# KiCad board DAB.kicad_pcb (continued)
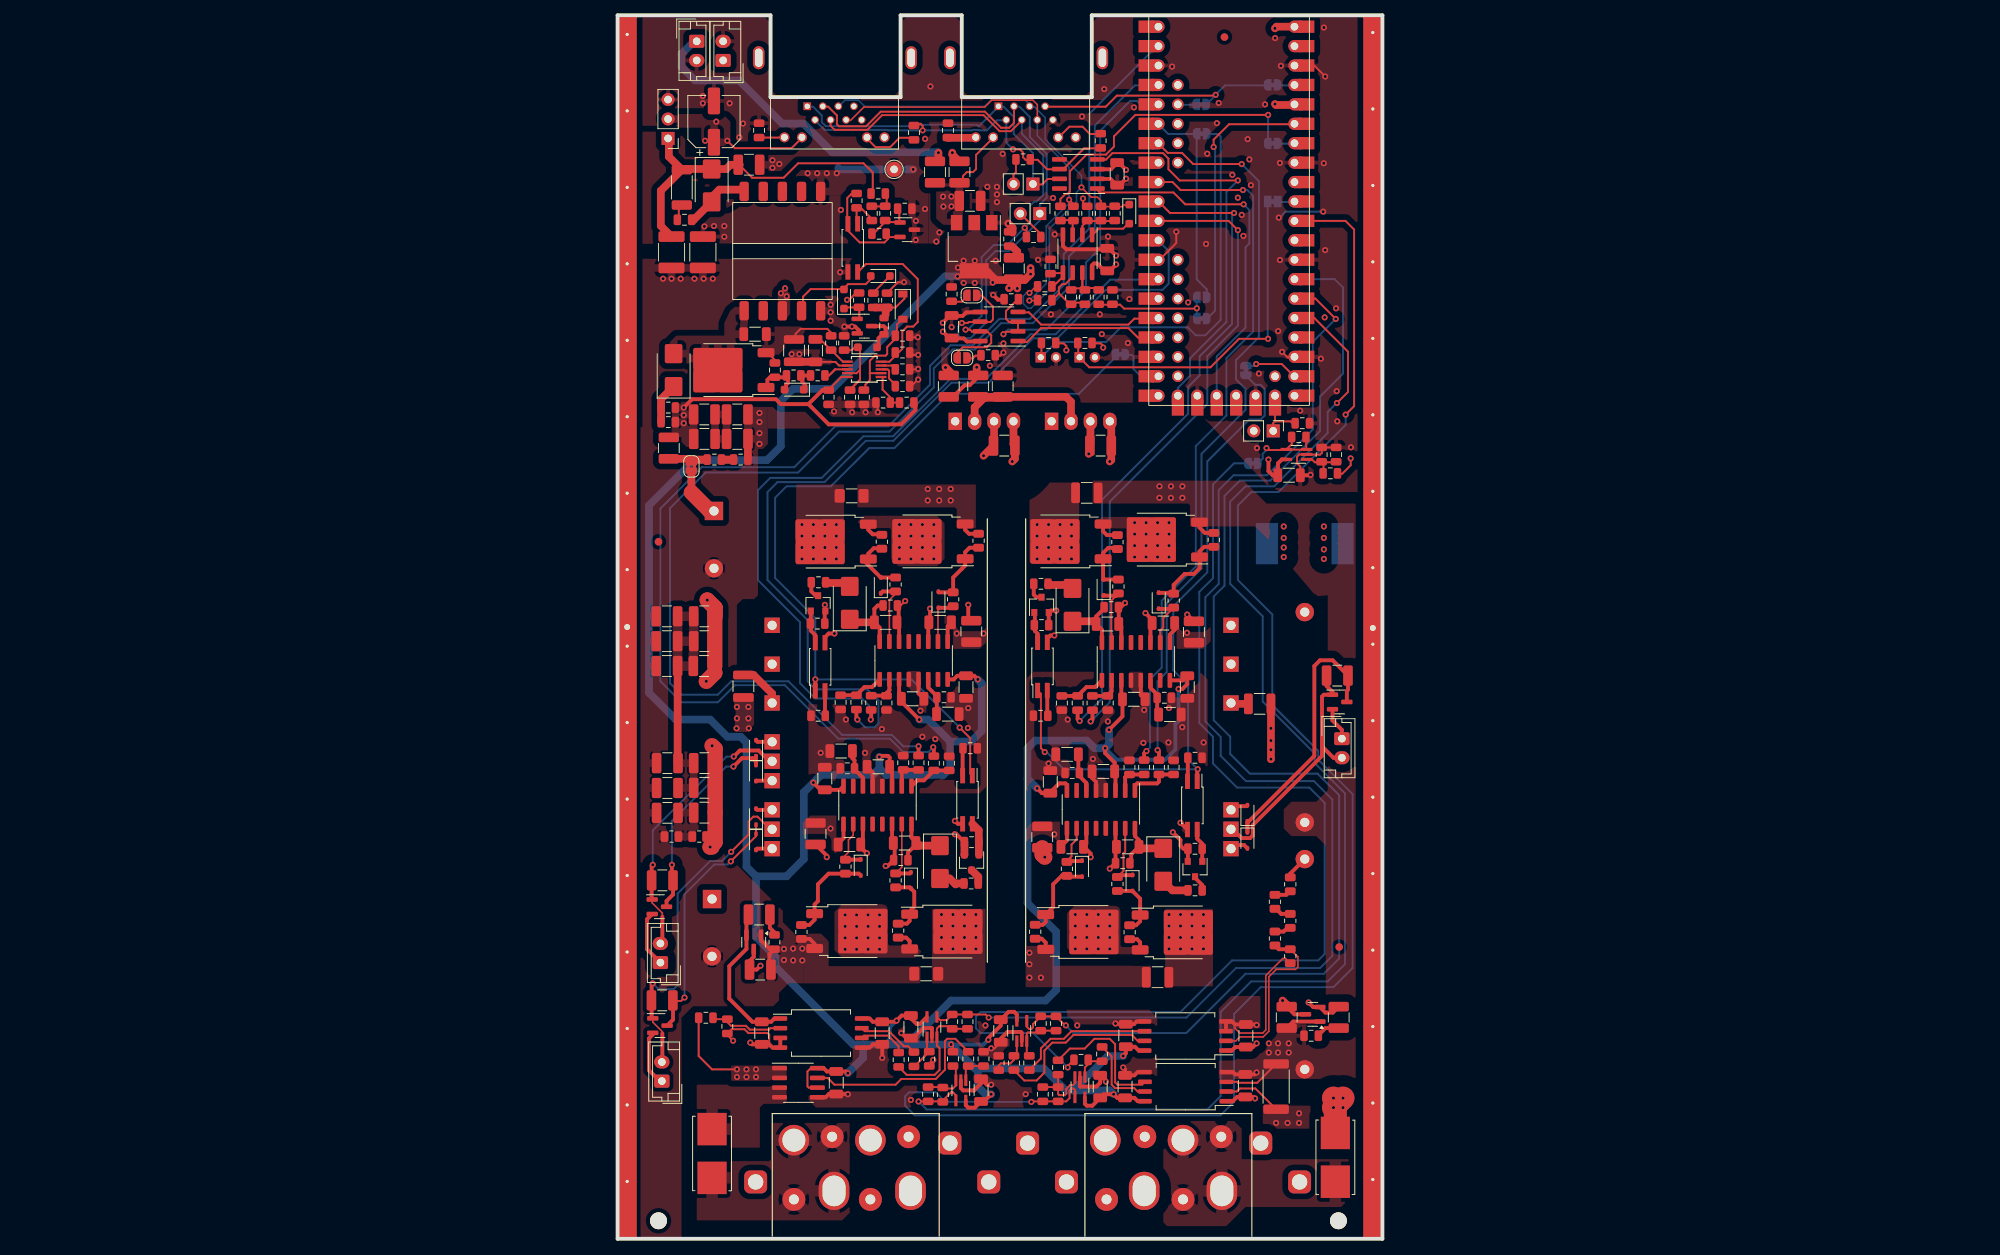
[diagram p0: board, top side]
## Placement (name value [footprint] x y rotation side) (continued)
U5005  FODM217A  [SO-4_4.4x2.3mm_P1.27mm]  30.75 129.59 270 top
U5006  TL431MFDT,215  [SOT-23_copy]  37.86 131.96 0 top

## Library data of the parts
C1 C2 = -: Dielectric: X7R; Functional Block: Power; Package: 1206; Subfunction: Decoupling Capacitor; VRating: 200V; Voltage: 200V; manf#: C1206C103K2RAC; ki_fp_filters: C_*
C3 C4 = -: Dielectric: X7R; Functional Block: Power; Package: 1210; Subfunction: Decoupling Capacitor; VRating: 600V; Voltage: 200V; manf#: C1206C103K2RAC; ki_fp_filters: C_*
C101 C102 = -: Description: Unpolarized capacitor; ki_fp_filters: C_*
C201 C202 C205 C208 C701 C702 C705 C708 C801 C802 C805 C808 C901 C902 C905 C908 = -: Dielectric: X7R; Functional Block: Driver; Metal content: BaTiO3; Package: 1206; Subfunction: Driver decoupling; Voltage: 50V; manf#: C1206C104K5RAC7867; ki_fp_filters: C_*
C203 C204 C703 C704 C803 C804 C903 C904 = -: Dielectric: NP0; Functional Block: Driver; Metal content: BaTiO3; Package: 0805; Subfunction: Driver input; Voltage: 50V; manf#: CC0805JRNPO9BN200; ki_fp_filters: C_*
C206 C706 C806 C906 = -: Dielectric: X7R; Functional Block: Driver; Metal content: BaTiO3; Package: 1206; Subfunction: Driver bootstrap; Voltage: 50V; manf#: C1206C104K5RAC7867; ki_fp_filters: C_*
C207 C707 C807 C907 = -: Dielectric: X7R; Functional Block: Driver; Metal content: BaTiO3; Package: 0805; Subfunction: Driver bootstrap; Voltage: 50V; manf#: UMK212B7105KGHT; ki_fp_filters: C_*
C209 C709 C809 C909 = -: Dielectric: X7R; Functional Block: Driver; Metal content: BaTiO3; Package: 1210; Subfunction: Driver decoupling; Voltage: 50V; manf#: CL32B106KBJNNNE; ki_fp_filters: C_*
C301 = -: Dielectric: X7R; Package: 1206; Voltage: 50V; manf#: C1206C104K5RAC7867; Functional Block: Measurement; Metal content: BaTiO3; Subfunction: VIHigh measure; ki_fp_filters: C_*
C302 C303 C502 C504 = -: Dielectric: X7R; Functional Block: Measurement; Metal content: BaTiO3; Package: 1206; Subfunction: VIHigh measure; Voltage: 50V; manf#: C1206C104K5RAC7867; ki_fp_filters: C_*
C304 C317 = -: ki_fp_filters: CP_*
C305 C506 = -: Dielectric: NP0; Package: 0805; Voltage: 50V; manf#: CC0805JRNPO9BN200; ki_fp_filters: C_*
C306-C315 C318 C319 C601-C603 = -: Datasheet: https://www.mouser.fr/datasheet/2/40/X7RDielectric-777024.pdf; Ref: 12101C475KAT2A; ki_fp_filters: C_*
C316 C508 = -: Dielectric: X7R; Package: 1206; Voltage: 50V; manf#: C1206C104K5RAC7867; ki_fp_filters: C_*
C322 = -: Dielectric: NP0; Functional Block: Measurement; Metal content: BaTiO3; Package: 0805; Subfunction: IILow measure; Voltage: 50V; manf#: CC0805JRNPO9BN200; ki_fp_filters: C_*
C323 = -: Dielectric: X7R; Functional Block: Measurement; Metal content: BaTiO3; Package: 1206; Subfunction: IILow measure; Voltage: 50V; manf#: C1206C104K5RAC7867; ki_fp_filters: C_*
C401 = -: Dielectric: X7R; Functional Block: Communication; Metal content: BaTiO3; Package: 1206; Subfunction: CAN bus; Voltage: 50V; manf#: C1206C104K5RAC7867; ki_fp_filters: C_*
C402 C5010 C5011 = -: Dielectric: X7R; Functional Block: Feeder; Metal content: BaTiO3; Package: 0805; Subfunction: +6V / DGND supply; Voltage: 50V; manf#: CL21B223KBANNWC; ki_fp_filters: C_*
C410 = -: Dielectric: X7R; Functional Block: Communication; Metal content: BaTiO3; Package: 1206; Subfunction: RS485 bus; Voltage: 50V; manf#: C1206C104K5RAC7867; ki_fp_filters: C_*
C411 C412 = -: Dielectric: NP0; Functional Block: Communication; Metal content: BaTiO3; Package: 0805; Subfunction: Analog bus; Voltage: 50V; manf#: CC0805JRNPO9BN200; ki_fp_filters: C_*
C413 = -: Dielectric: X7R; Functional Block: Communication; Metal content: BaTiO3; Package: 1206; Subfunction: Analog bus; Voltage: 50V; manf#: C1206C104K5RAC7867; ki_fp_filters: C_*
C501 C503 C505 = -: Dielectric: X7R; Functional Block: Measurement; Metal content: BaTiO3; Package: 1206; Subfunction: VILow measure; Voltage: 50V; manf#: C1206C104K5RAC7867; ki_fp_filters: C_*
C507 = -: Dielectric: NP0; Functional Block: Measurement; Metal content: BaTiO3; Package: 0805; Subfunction: VILow measure; Voltage: 50V; manf#: CC0805JRNPO9BN200; ki_fp_filters: C_*
C511 C512 = -: Datasheet: https://www.kemet.com/specsheet/C4AQLBU5100A1XK; Ref: C4AQLBU5100A1XK; ki_fp_filters: C_*
C1001-C1003 = -: manf#: CL32B106KBJNNNE; Functional Block: Feeder; Metal content: BaTiO3; Subfunction: +12V / GND Supply; Package: 1210; Dielectric: X7R; Voltage: 50V; ki_fp_filters: C_*
C5001 = -: Dielectric: NP0; Functional Block: Feeder; Metal content: BaTiO3; Package: 0805; Subfunction: Voltage reference; Voltage: 50V; manf#: CC0805JRNPO9BN200; ki_fp_filters: C_*
C5002 C5003 = -: Dielectric: X7R; Functional Block: Feeder; Metal content: BaTiO3; Package: 0805; Subfunction: +6V / DGND supply; Voltage: 100V; manf#: GRM21BR72A474KA73L; ki_fp_filters: C_*
C5004 = -: Dielectric: X7R; Functional Block: Feeder; Metal content: BaTiO3; Package: 1206; Subfunction: Voltage reference; Voltage: 50V; manf#: C1206C104K5RAC7867; ki_fp_filters: C_*
C5005 C5006 C5008 C5009 = -: Dielectric: X7R; Functional Block: Feeder; Metal content: BaTiO3; Package: 1210; Subfunction: +6V / DGND supply; VRating: 100V; Voltage: 100V; manf#: CL32B475KCVZNWE; ki_fp_filters: C_*
C5007 = -: DNP: DNP; Dielectric: NP0; Functional Block: Feeder; Metal content: BaTiO3; Package: 0805; Subfunction: Voltage reference; Voltage: 50V; manf#: CC0805JRNPO9BN200; ki_fp_filters: C_*
C5012 C5014 C5018 C5020 C5023 C5027 C5029 = -: Dielectric: X7R; Functional Block: Feeder; Metal content: BaTiO3; Package: 1210; Subfunction: +12V / GND Supply; Voltage: 50V; manf#: CL32B106KBJNNNE; ki_fp_filters: C_*
C5013 = -: Dielectric: C0G; Functional Block: Feeder; Metal content: BaTiO3; Package: 0805; Subfunction: +6V / DGND supply; Voltage: 100V; manf#: CL21C102JCFNNNE; ki_fp_filters: C_*
C5015 = -: Dielectric: X7T; Functional Block: Feeder; Metal content: BaTiO3; Package: 0805; Subfunction: +6V / DGND supply; VRating: 250V; Voltage: 250V; manf#: C2012X7T2E104M125AA; ki_fp_filters: C_*
C5016 = -: Dielectric: C0G; Functional Block: Feeder; Metal content: BaTiO3; Package: 1206; Subfunction: +6V / DGND supply; VRating: 1kV; Voltage: 1kV; manf#: CC1206JKNPOCBN101; ki_fp_filters: C_*
C5017 C5019 = -: Dielectric: X7R; Functional Block: Feeder; Metal content: BaTiO3; Package: 0805; Subfunction: +6V / DGND supply; Voltage: 50V; manf#: UMK212B7105KGHT; ki_fp_filters: C_*
C5021 = -: Dielectric: X7R; Functional Block: Feeder; Metal content: BaTiO3; Package: 0805; Subfunction: +6V / DGND supply; VRating: 630V; Voltage: 630V; manf#: 0805B682K631CT; ki_fp_filters: C_*
C5022 = -: DNP: DNP; Dielectric: C0G; Functional Block: Feeder; Metal content: BaTiO3; Package: 1206; Subfunction: +6V / DGND supply; VRating: 1kV; Voltage: 1kV; manf#: CC1206JKNPOCBN101; ki_fp_filters: C_*
C5024 C5025 = -: Dielectric: X7R; Functional Block: Feeder; Metal content: BaTiO3; Package: 1812; Subfunction: +6V / DGND supply; VRating: 2.5kV; Voltage: 250V; manf#: 8853622110151; ki_fp_filters: C_*
C5026 = -: Dielectric: X7R; Functional Block: Feeder; Metal content: BaTiO3; Package: 0805; Subfunction: +6V / DGND supply; VRating: 500V; Voltage: 500V; manf#: 885342207013; ki_fp_filters: C_*
C5028 = -: Dielectric: X7R; Functional Block: Feeder; Metal content: BaTiO3; Package: 1210; Subfunction: +6V / DGND supply; Voltage: 50V; manf#: CL32B106KBJNNNE; ki_fp_filters: C_*
C5030 = -: Dielectric: X7R; Functional Block: Feeder; Metal content: BaTiO3; Package: 0805; Subfunction: +6V / DGND supply; Voltage: 630V; manf#: 0805B682K631CT; ki_fp_filters: C_*
C5031 = -: Dielectric: Alu; Eq1: EEE-FKE101XAP; Functional Block: Feeder; Metal content: BaTiO3; Package: 6.3x7.7; Subfunction: +6V / DGND supply; Voltage: 25V; manf#: EEE-FKE101XAV; ki_fp_filters: CP_*
D201 D701 D801 D901 = -: Functional Block: Driver; Subfunction: Driver bootstrap; ki_fp_filters: TO-???* *_Diode_* *SingleDiode* D_*
D301-D304 D501-D504 D601-D606 = -: Datasheet: https://www.st.com/resource/en/datasheet/stps0520z.pdf; ki_fp_filters: TO-???* *_Diode_* *SingleDiode* D_*
D403 D5002 D5003 = -: Functional Block: Driver; Subfunction: Gate circuit; ki_fp_filters: TO-???* *_Diode_* *SingleDiode* D_*
D5001 = -: Functional Block: Feeder; Subfunction: +6V / DGND supply; manf#: BZT52C6V2-TP; ki_fp_filters: TO-???* *_Diode_* *SingleDiode* D_*
D5004-D5007 = -: Functional Block: Feeder; Subfunction: +6V / DGND supply; ki_fp_filters: TO-???* *_Diode_* *SingleDiode* D_*
F101 F102 = -: Functional Block: Power; Subfunction: Fuse; manf#: 0154008.DR; ki_fp_filters: *Fuse*
F5001 F5002 = -: Current: 350mA; Functional Block: Feeder; Package: 1210; Subfunction: External supply; ki_fp_filters: *polyfuse* *PTC*
FID101-FID103 = -: Description: Fiducial Marker; ki_fp_filters: Fiducial*
J101 = -: Functional Block: Power; Subfunction: Power Connector; ki_fp_filters: Connector*:*_1x??_*
J103-J105 J5001 J5002 = -: Functional Block: Feeder; Subfunction: External supply; ki_fp_filters: Connector*:*_1x??_*
J403 J404 = -: Functional Block: Communication; Subfunction: RJ45 Connector; ki_fp_filters: 8P8C* RJ45*
J5003 = -: Functional Block: Feeder; Subfunction: +6V / DGND supply; ki_fp_filters: Connector*:*_1x??_*
JP401 = -: DNP: x; Functional Block: Communication; Subfunction: CAN bus; manf#: 10129378-902001BLF; ki_fp_filters: Jumper* TestPoint*2Pads* TestPoint*Bridge*
JP402 = -: ki_fp_filters: Jumper* TestPoint*2Pads* TestPoint*Bridge*
JP403 = -: DNP: x; Functional Block: Communication; Subfunction: RS485 bus; manf#: 10129378-902001BLF; ki_fp_filters: Jumper* TestPoint*2Pads* TestPoint*Bridge*
JP405 JP406 = -: DNP: x; Functional Block: Measurement; Subfunction: Temp Measure; ki_fp_filters: SolderJumper*Bridged*
JP408 JP409 = -: DNP: x; Functional Block: Communication; Subfunction: RS485 bus; ki_fp_filters: SolderJumper*Open*
JP410 = -: DNP: x; Functional Block: Communication; Subfunction: Analog bus; ki_fp_filters: SolderJumper*Open*
JP411 JP417 = -: DNP: x; Functional Block: Communication; Subfunction: Analog bus; ki_fp_filters: SolderJumper*Bridged*
JP412 JP413 = -: DNP: x; Functional Block: Driver; Subfunction: STBY driver; ki_fp_filters: SolderJumper*Bridged*
JP414 JP415 = -: DNP: x; Functional Block: Communication; Subfunction: HRTIM Sync; ki_fp_filters: SolderJumper*Bridged*
JP5001 = -: DNP: x; Functional Block: Feeder; Subfunction: +6V / DGND supply; ki_fp_filters: Jumper* TestPoint*2Pads* TestPoint*Bridge*
JP5002 = -: DNP: x; Functional Block: Feeder; Subfunction: Voltage Reference; ki_fp_filters: SolderJumper*Bridged*
L5001 = -: Functional Block: Feeder; Subfunction: +6V / DGND supply; manf#: CBC3225T100M; ki_fp_filters: Choke_* *Coil* Inductor_* L_*
L5002 = -: Functional Block: Feeder; Subfunction: +6V / DGND supply; manf#: LBR2012T101K; ki_fp_filters: Choke_* *Coil* Inductor_* L_*
L5003 = -: Functional Block: Feeder; Subfunction: +12V / GND Supply; manf#: CBC3225T220KR; ki_fp_filters: Choke_* *Coil* Inductor_* L_*
N101 = -: DNP: x
NTC5001 = -: Functional Block: Feeder; Subfunction: +6V / DGND supply; manf#: ABNTC-0805-104J-4250F-T; ki_fp_filters: *NTC* *Thermistor* PIN?ARRAY* bornier* *Terminal?Block* R_*
Q201 Q701 Q801 Q901 = -: Functionnal block: POWER
Q301-Q304 Q501-Q504 = -: ki_fp_filters: TO?252*
Q5002 = -: Functional Block: Feeder; Subfunction: +6V / DGND supply
R201 R202 R408 R701 R702 R801 R802 R901 R902 = -: Functional Block: Driver; Metal content: NiCr; Package: 0805; Subfunction: Driver input; Technology: Thick film; manf#: CR0805-FX-51R0ELF; ki_fp_filters: R_*
R203 R703 R803 R903 = -: Functional Block: Driver; Metal content: NiCr; Package: 0805; Subfunction: Deadtime setting; Technology: Thin film; manf#: RT0805DRD0720KL; ki_fp_filters: R_*
R204 R704 R804 R904 = -: Functional Block: Measurement; Metal content: NiCr; Package: 0805; Technology: Thick film; manf#: CR0805-FX-4700ELF; ki_fp_filters: R_*
R205 R506 R508 R705 R805 R905 R5012 R5019 = -: Functional Block: Measurement; Metal content: NiCr; Package: 0805; Subfunction: VILow Measure; Technology: Thin film; manf#: RT0805DRE0712KL; ki_fp_filters: R_*
R206 R706 R806 R906 = -: Functional Block: Driver; Metal content: NiCr; Package: 0805; Technology: Thick film; manf#: CR0805AF/-2R20EAS; ki_fp_filters: R_*
R301-R304 R504 R505 R507 = -: Package: 0805; Technology: Thin film; manf#: RT0805DRD0727KL; ki_fp_filters: R_*
R305 = -: manf#: CR0805-FX-3303ELF; Package: 0805; Technology: Thick film; ki_fp_filters: R_*
R306 = -: manf#: CR0805-FX-5601ELF; Package: 0805; Technology: Thick film; ki_fp_filters: R_*
R307 = -: Functional Block: Measurement; Metal content: NiCr; Package: 0805; Subfunction: IIlow measure; Technology: Thin film; manf#: RR1220P-5901-D-M; ki_fp_filters: R_*
R308 = -: Functional Block: Measurement; Metal content: NiCr; Package: 0805; Subfunction: IIlow measure; Technology: Thin film; manf#: RT0805DRD0720KL; ki_fp_filters: R_*
R309 = -: Functional Block: Measurement; Metal content: NiCr; Package: 0805; Subfunction: IILow Measure; Technology: Thin film; manf#: RT0805DRD0720KL; ki_fp_filters: R_*
R310 = -: Functional Block: Measurement; Metal content: NiCr; Package: 0805; Subfunction: IILow Measure; Technology: Thin film; manf#: RR1220P-5901-D-M; ki_fp_filters: R_*
R401 = -: Functional Block: Communication; Metal content: NiCr; Package: 0805; Subfunction: CAN bus; Technology: Thick film; manf#: CR0805-FX-1200ELF; ki_fp_filters: R_*
R402 R404 R5009 = -: Functional Block: Feeder; Metal content: NiCr; Package: 0805; Subfunction: +6V / DGND supply; Technology: Thick film; manf#: CR0805-FX-4700ELF; ki_fp_filters: R_*
R403 = -: manf#: CR0805-FX-4701ELF; Functional Block: Communication; Metal content: NiCr; Subfunction: Analog bus; Package: 0805; Technology: Thick film; ki_fp_filters: R_*
R405 R413-R421 R5004 = -: Functional Block: Communication; Metal content: NiCr; Package: 0805; Subfunction: Analog bus; Technology: Thick film; manf#: CR0805-FX-4701ELF; ki_fp_filters: R_*
R406 R407 = -: Functional Block: Measurement; Metal content: NiCr; Package: 0805; Subfunction: Temp Measure; Technology: Thin film; manf#: RT0805DRD0720KL; ki_fp_filters: R_*
R409 R411 R412 = -: Functional Block: Communication; Metal content: NiCr; Package: 0805; Subfunction: RS485 bus; Technology: Thick film; manf#: CR0805-FX-4701ELF; ki_fp_filters: R_*
R410 = -: Functional Block: Communication; Metal content: NiCr; Package: 0805; Subfunction: RS485 bus; Technology: Thick film; manf#: CR0805-FX-1200ELF; ki_fp_filters: R_*
R501 = -: manf#: RT0805DRD0727KL; Package: 0805; Technology: Thin film; ki_fp_filters: R_*
R502 R503 = -: Functional Block: Measurement; Metal content: NiCr; Package: 0805; Subfunction: VILow Measure; Technology: Thin film; manf#: RT0805DRD0727KL; ki_fp_filters: R_*
R514 Rb301 Rb302 RGH301 RGH302 RGH501 RGH502 RGL301 RGL302 RGL501 RGL502 RpdH301 RpdH302 RpdH501 RpdH502 RpdL301 RpdL302 RpdL501 RpdL502 Rv501-Rv505 = -: ki_fp_filters: R_*
R1001 = -: manf#: CR0805AF/-2R20EAS; Functional Block: Feeder; Metal content: NiCr; Subfunction: +6V / DGND supply; Package: 0805; Technology: Thick film; ki_fp_filters: R_*
R5001 R5003 = -: Functional Block: Feeder; Metal content: NiCr; Package: 0805; Subfunction: Voltage reference; Technology: Thin film; manf#: RT0805DRD0747KL; ki_fp_filters: R_*
R5002 = -: Functional Block: Feeder; Metal content: NiCr; Package: 0805; Subfunction: Voltage reference; Technology: Thin film; manf#: RT0805DRE0712KL; ki_fp_filters: R_*
R5005 = -: Functional Block: Feeder; Metal content: NiCr; Package: 0805; Subfunction: +6V / DGND supply; Technology: Thick film; manf#: CR0805-FX-1003ELF; ki_fp_filters: R_*
R5006 R5008 R5011 = -: Functional Block: Feeder; Metal content: NiCr; Package: 0805; Subfunction: +6V / DGND supply; Technology: Thick film; manf#: CR0805AF/-2R20EAS; ki_fp_filters: R_*
R5007 R5016 R5018 = -: Functional Block: Feeder; Metal content: NiCr; Package: 0805; Subfunction: +6V / DGND supply; Technology: Thick film; manf#: RC0805FR-071K4L; ki_fp_filters: R_*
R5010 R5015 R5020 = -: Functional Block: Feeder; Metal content: NiCr; Package: 0805; Subfunction: +6V / DGND supply; Technology: Thick film; manf#: CR0805-FX-10R0ELF; ki_fp_filters: R_*
R5013 = -: Package: 0805; Technology: Thick film; manf#: CR0805-FX-3303ELF; ki_fp_filters: R_*
R5014 = -: Functional Block: Feeder; Metal content: NiCr; Package: 1210; Subfunction: +6V / DGND supply; Technology: Thick film; manf#: RCWE1210R240FKEA; ki_fp_filters: R_*
R5017 = -: Functional Block: Feeder; Metal content: NiCr; Package: 2010; Power: 1W; Subfunction: +6V / DGND supply; Technology: Thick film; manf#: CRGH2010J10R; ki_fp_filters: R_*
R5021 = -: Functional Block: Feeder; Metal content: NiCr; Package: 0805; Subfunction: +6V / DGND supply; Technology: Thick film; manf#: CRCW080538K3FKEA; ki_fp_filters: R_*
R5022 = -: Functional Block: Feeder; Metal content: NiCr; Package: 0805; Subfunction: +6V / DGND supply; Technology: Thin film; manf#: RT0805DRD0727KL; ki_fp_filters: R_*
T5001 = -: Functional Block: Feeder; Subfunction: +6V / DGND supply; ki_fp_filters: Pulse*PA2004NL*
TH401 TH402 = -: Functional Block: Measurement; Subfunction: Temp Measure; ki_fp_filters: R_*
TP5002 = -: DNP: x; Functional Block: Feeder; ki_fp_filters: Pin* Test*
U201 U701 U801 U901 U5005 = -: Functional Block: Driver; Subfunction: STBY driver; ki_fp_filters: SMDIP*W7.62mm*
U202 U702 U802 U902 = -: Functional Block: Driver; Subfunction: Driver; ki_fp_filters: SOIC*7.5x10.3mm*P1.27mm*
U301 = -: manf#: ACS723LLCTR-05AB-T
U303 U304 U503 U504 = -: Functional Block: Measurement; Subfunction: IILow Measure; manf#: MCP6486UT-E/LT; ki_fp_filters: SOT*353*SC*70*
U401 = -: manf#: SPIN
U402 = -: Functional Block: Communication; Subfunction: CAN bus; ki_fp_filters: *TSOT?23* *SOIC*3.9x4.9mm*P1.27mm*
U405 = -: Functional Block: Communication; Subfunction: RS485 bus; ki_fp_filters: SOIC*3.9x4.9mm*P1.27mm*
U406 = -: Functional Block: Communication; Subfunction: Analog bus; ki_fp_filters: SOIC*3.9x4.9mm*P1.27mm* DIP*W7.62mm* TO*99* OnSemi*Micro8* TSSOP*3x3mm*P0.65mm* TSSOP*4.4x3mm*P0.65mm* MSOP*3x3mm*P0.65mm* SSOP*3.9x4.9mm*P0.635mm* LFCSP*2x2mm*P0.5mm* *SIP* SOIC*5.3x6.2mm*P1.27mm*
U501 = -: Functional Block: Measurement; Subfunction: VILow Measure; manf#: AMC1100DUB
U601-U603 = -: Datasheet: http://ww1.microchip.com/downloads/en/DeviceDoc/20002276C.pdf; ki_fp_filters: SOT?23*
U1001 U5002 U5004 = -: Functional Block: Feeder; Subfunction: +5V / DGND Supply; ki_fp_filters: SOT?223*TabPin2*
U5001 = -: Functional Block: Feeder; Subfunction: Voltage Reference; manf#: MCP6486UT-E/LT; ki_fp_filters: SOT*353*SC*70*
U5006 = -: Functional Block: Feeder; Subfunction: +6V / DGND supply; ki_fp_filters: SOT?23*

## Footprints (pads in the part's own frame, mm; a bottom-side part is the same pattern mirrored in y, then rotated)
C_0805_2012Metric
  rrect 0.975x1.4 smd: 1(-0.938,0) 2(0.938,0)
C_1206_3216Metric
  rrect 1.15x1.8 smd: 1(-1.475,0) 2(1.475,0)
C_1206_3216Metric_Pad1.33x1.80mm_HandSolder
  rrect 1.325x1.8 smd: 1(-1.562,0) 2(1.562,0)
C_1210_3225Metric
  rrect 1.25x2.65 smd: 1(-1.4,0) 2(1.4,0)
C_1210_3225Metric#2
  rrect 1.15x2.7 smd: 1(-1.475,0) 2(1.475,0)
C_1812_4532Metric
  rrect 1.4x3.4 smd: 1(-2.05,0) 2(2.05,0)
C_Rect_L31.5mm_W13.0mm_P27.50mm_MKS4
  round 2.4 hole 1.2: 1(0,0) 2(27.5,0)
CP_Elec_6.3x7.7
  rrect 3.5x1.6 smd: 1(-2.7,0) 2(2.7,0)
CP_Radial_D18.0mm_P7.50mm
  rect 2.4x2.4 hole 1.2: 1(0,0)
  round 2.4 hole 1.2: 2(7.5,0)
D_SMB
  rrect 2.5x2.3 smd: 1(-2.15,0) 2(2.15,0)
D_SOD-123
  rect 0.9x1.2 smd: 1(-1.65,0) 2(1.65,0)
D_SOD-323
  rrect 0.6x0.45 smd: 1(-1.05,0) 2(1.05,0)
D_SOD-323_HandSoldering
  rrect 1x1 smd: 1(-1.25,0) 2(1.25,0)
ethernet_RJE721881411
  rect 1x1 hole 0.7: 1(0,0)
  round 1 hole 0.7: 2(1.016,-1.78) 3(2.032,0) 4(3.048,-1.78) 5(4.064,0) 6(5.08,-1.78) 7(6.096,0) 8(7.112,-1.78)
  round 1.3 hole 0.9: 9(-2.985,-4.064) 10(-0.699,-4.064) 11(7.811,-4.064) 12(10.097,-4.064)
  oval 1.5x3 hole 1x2.4: SH(-6.35,6.35) SH(13.589,6.35)
Fiducial_1mm_Mask2mm
  round 1 smd: (0,0)
Fuse_1210_3225Metric
  rrect 1.25x2.65 smd: 1(-1.4,0) 2(1.4,0)
Fuse_holder_omni_blok
  rect 4.24x3.81 smd: 1(-3.19,0) 2(3.19,0)
Guard_ring
  round 0.8 hole 0.4: 1(1.25,-2.5) 1(1.25,-12.5) 1(1.25,-22.5) 1(1.25,-32.5) 1(1.25,-42.5) 1(1.25,-52.5) 1(1.25,-62.5) 1(1.25,-72.5) 1(1.25,-82.5) 1(1.25,-92.5) 1(1.25,-102.5) 1(1.25,-112.5) 1(1.25,-122.5) 1(1.25,-132.5) 1(1.25,-142.5) 1(1.25,-152.5) 1(98.75,-2.25) 1(98.75,-12.25) 1(98.75,-22.25) 1(98.75,-32.25) 1(98.75,-42.25) 1(98.75,-52.25) 1(98.75,-62.25) 1(98.75,-72.25) 1(98.75,-82.25) 1(98.75,-92.25) 1(98.75,-102.25) 1(98.75,-112.25) 1(98.75,-122.25) 1(98.75,-132.25) 1(98.75,-142.25) 1(98.75,-152.25)
  rect 2.5x160 hole 0.762: 1(1.25,-80) 1(98.75,-80.125)
Harting - 15contacts and Wago
  round 2.2 hole 2.8 unplated: (-76.2,5.08) (12.7,5.08)
  rrect 3x3 hole 2: 1(0,0) 6(-25.4,-5.08) 7(-30.48,0) 8(-35.56,-5.08) 9(-40.64,0) 14(-66.04,-5.08) 15(-71.12,0)
  round 3 hole 1.295: 2(-5,2.286) 3(-10,-5.914) 4(-15,2.286) 5(-20,-5.914) 10(-45.88,2.286) 11(-50.88,-5.914) 12(-55.88,2.286) 13(-60.88,-5.914)
  oval 4x4 hole 3: 2(-5,-5.461) 4(-15,-5.461) 10(-45.72,-5.461) 12(-55.88,-5.461)
  oval 4x5 hole 3x4: 3(-10.25,1.17) 5(-20.25,1.17) 11(-50.8,1.17) 13(-60.96,1.17)
JST_EH_B2B-EH-A_1x02_P2.50mm_Vertical
  rrect 1.7x2 hole 1: 1(0,0)
  oval 1.7x2 hole 1: 2(2.5,0)
L_0805_2012Metric
  rrect 0.875x1.2 smd: 1(-1.062,0) 2(1.062,0)
L_1210_3225Metric
  rrect 1.25x2.65 smd: 1(-1.4,0) 2(1.4,0)
L_Wuerth_WE-PD-Typ-LS
  rect 2.9x5.4 smd: 1(-4.95,0) 2(4.95,0)
MSOP-10_3x3mm_P0.5mm
  rect 1.4x0.3 smd: 1(-2.2,1) 2(-2.2,0.5) 3(-2.2,0) 4(-2.2,-0.5) 5(-2.2,-1) 6(2.2,-1) 7(2.2,-0.5) 8(2.2,0) 9(2.2,0.5) 10(2.2,1)
OwnTech_SPINTHT
  rect 1.6x2 smd: 1(48.26,1.6) 2(45.72,1.6) 3(43.18,1.6) 4(40.64,1.6) 5(38.1,1.6) 6(35.56,1.6) 7(33.02,1.6) 8(30.48,1.6) 9(27.94,1.6) 10(25.4,1.6) 11(22.86,1.6) 12(20.32,1.6) 13(17.78,1.6) 14(15.24,1.6) 15(12.7,1.6) 16(10.16,1.6) 17(7.62,1.6) 18(5.08,1.6) 19(2.54,1.6) 20(0,1.6) 21(0,-19.38) 22(2.54,-19.38) 23(5.08,-19.38) 24(7.62,-19.38) 25(10.16,-19.38) 26(12.7,-19.38) 27(15.24,-19.38) 28(17.78,-19.38) 29(20.32,-19.38) 30(22.86,-19.38) 31(25.4,-19.38) 32(27.94,-19.38) 33(30.48,-19.38) 34(33.02,-19.38) 35(35.56,-19.38) 36(38.1,-19.38) 37(40.64,-19.38) 38(43.18,-19.38) 39(45.72,-19.38) 40(48.26,-19.38)
  oval 1.6x2.4 hole 1: 1(48.26,0) 2(45.72,0) 3(43.18,0) 4(40.64,0) 5(38.1,0) 6(35.56,0) 7(33.02,0) 8(30.48,0) 9(27.94,0) 10(25.4,0) 11(22.86,0) 12(20.32,0) 13(17.78,0) 14(15.24,0) 15(12.7,0) 16(10.16,0) 17(7.62,0) 18(5.08,0) 19(2.54,0) 20(0,0) 21(0,-17.78) 22(2.54,-17.78) 23(5.08,-17.78) 24(7.62,-17.78) 25(10.16,-17.78) 26(12.7,-17.78) 27(15.24,-17.78) 28(17.78,-17.78) 29(20.32,-17.78) 30(22.86,-17.78) 31(25.4,-17.78) 32(27.94,-17.78) 33(30.48,-17.78) 34(33.02,-17.78) 35(35.56,-17.78) 36(38.1,-17.78) 37(40.64,-17.78) 38(43.18,-17.78) 39(45.72,-17.78) 40(48.26,-17.78)
  round 1.5 hole 1: 41(40.64,-2.54) 42(38.1,-2.54) 43(35.56,-2.54) 44(33.02,-2.54) 45(30.48,-2.54) 46(17.78,-2.54) 47(15.24,-2.54) 48(12.7,-2.54) 49(10.16,-2.54) 50(7.62,-2.54) 51(5.08,-2.54) 52(2.54,-2.54) 59(2.54,-15.24)
  rect 2x1.6 smd: 53(-1.6,-2.54) 54(-1.6,-5.08) 55(-1.6,-7.62) 56(-1.6,-10.16) 57(-1.6,-12.7) 58(-1.6,-15.24)
  oval 2.4x1.6 hole 1: 53(0,-2.54) 54(0,-5.08) 55(0,-7.62) 56(0,-10.16) 57(0,-12.7) 58(0,-15.24)
PA2467NL
  rrect 1.22x2.54 smd: 1(5,-7.8) 2(2.5,-7.8) 3(0,-7.8) 4(-2.5,-7.8) 5(-5,-7.8) 6(-5,7.8) 7(-2.5,7.8) 8(0,7.8) 9(2.5,7.8) 10(5,7.8)
PinHeader_1x02_P2.00mm_Vertical
  rect 1.35x1.35 hole 0.8: 1(0,0)
  oval 1.35x1.35 hole 0.8: 2(0,-2)
PinHeader_1x02_P2.54mm_Vertical
  rect 1.7x1.7 hole 1: 1(0,0)
  oval 1.7x1.7 hole 1: 2(0,-2.54)
PinHeader_1x03_P2.54mm_Vertical
  rect 1.7x1.7 hole 1: 1(0,0)
  oval 1.7x1.7 hole 1: 2(0,-2.54) 3(0,-5.08)
PlanarCoreE43
  rect 2x2 hole 1.2: 1(-14.46,30) 2(-9.38,30) 3(-4.3,30) 4(0.78,30) 5(3.32,30) 6(5.86,30) 7(9.67,30) 8(12.21,30) 9(14.75,30) 10(-14.46,-30) 11(-9.38,-30) 12(-4.3,-30) 16(9.67,-30) 17(12.21,-30) 18(14.75,-30)
R_0805_2012Metric
  rrect 1.025x1.4 smd: 1(-0.912,0) 2(0.912,0)
R_0805_2012Metric#2
  rrect 0.975x1.4 smd: 1(-0.938,0) 2(0.938,0)
R_1210_3225Metric
  rrect 1.125x2.65 smd: 1(-1.462,0) 2(1.462,0)
R_2010_5025Metric
  rrect 1.225x2.65 smd: 1(-2.312,0) 2(2.312,0)
R_2512_6332Metric
  rrect 1.225x3.35 smd: 1(-2.962,0) 2(2.962,0)
SMU02_Mean_Well
  rect 2.25x1.75 hole 1.075: 1(0,0)
  oval 2.25x1.75 hole 1.075: 2(0,-2.54) 3(0,-5.08) 4(0,-7.62)
SO-4_4.4x2.3mm_P1.27mm
  rect 2x0.64 smd: 1(-3.15,0.635) 2(-3.15,-0.635) 3(3.15,-0.635) 4(3.15,0.635)
SOIC-8_3.9x4.9mm_P1.27mm
  rrect 1.95x0.6 smd: 1(-2.475,1.905) 2(-2.475,0.635) 3(-2.475,-0.635) 4(-2.475,-1.905) 5(2.475,-1.905) 6(2.475,-0.635) 7(2.475,0.635) 8(2.475,1.905)
SOIC-8_7.5x5.85mm_P1.27mm
  rrect 1.8x0.6 smd: 1(-5.325,1.905) 2(-5.325,0.635) 3(-5.325,-0.635) 4(-5.325,-1.905) 5(5.325,-1.905) 6(5.325,-0.635) 7(5.325,0.635) 8(5.325,1.905)
SOIC-16_3.9x9.9mm_P1.27mm
  rrect 1.95x0.6 smd: 1(-2.475,4.445) 2(-2.475,3.175) 3(-2.475,1.905) 4(-2.475,0.635) 5(-2.475,-0.635) 6(-2.475,-1.905) 7(-2.475,-3.175) 8(-2.475,-4.445) 9(2.475,-4.445) 10(2.475,-3.175) 11(2.475,-1.905) 12(2.475,-0.635) 13(2.475,0.635) 14(2.475,1.905) 15(2.475,3.175) 16(2.475,4.445)
SolderJumper-2_P1.3mm_Bridged2Bar_RoundedPad1.0x1.5mm
  custom 1x1.5 smd: 1(-0.65,0) 2(0.65,0)
SolderJumper-2_P1.3mm_Bridged_Pad1.0x1.5mm
  rect 1x1.5 smd: 1(-0.65,0) 2(0.65,0)
SolderJumper-2_P1.3mm_Bridged_RoundedPad1.0x1.5mm
  custom 1x1.5 smd: 1(-0.65,0) 2(0.65,0)
SolderJumper-2_P1.3mm_Open_RoundedPad1.0x1.5mm
  custom 1x1.5 smd: 1(-0.65,0) 2(0.65,0)
SOT-23
  rrect 1.475x0.6 smd: 1(-0.938,0.95) 2(-0.938,-0.95) 3(0.938,0)
SOT-23#2
  rect 0.9x0.8 smd: 1(-1,0.95) 2(-1,-0.95) 3(1,0)
SOT-23_copy
  rrect 1.475x0.6 smd: 1(-0.938,0.95) 2(-0.938,-0.95) 3(0.938,0)
SOT-223-3_TabPin2
  rect 2x1.5 smd: 1(-3.15,2.3) 2(-3.15,0) 3(-3.15,-2.3)
  rect 2x3.8 smd: 2(3.15,0)
SOT-353_SC-70-5_Handsoldering
  rect 1.5x0.4 smd: 1(-1.33,0.65) 2(-1.33,0) 3(-1.33,-0.65) 4(1.33,-0.65) 5(1.33,0.65)
TestPoint_THTPad_D2.0mm_Drill1.0mm
  round 2 hole 1: 1(0,0)
TO-252-2
  rrect 2.2x1.2 smd: 1(-5.04,2.28) 3(-5.04,-2.28)
  rrect 3.05x2.75 smd: 2(-0.415,1.525) 2(-0.415,-1.525) 2(2.935,1.525) 2(2.935,-1.525)
  rrect 6.4x5.8 smd: 2(1.26,0)

## Nets
+3.3V_{DGND}: C401.1 J403.12 J404.12 JP402.2 R406.2 R407.2 U401.36 U402.3
+5V_{DGND}: C201.1 C202.1 C302.2 C303.2 C316.1 C323.1 C410.1 C413.1 C503.1 C504.2 C505.1 C508.1 C701.1 C702.1 C801.1 C802.1 C901.1 C902.1 C5004.1 C5014.1 C5029.1 L5003.1 R308.1 R409.1 R5001.1 U202.3 U202.8 U301.6 U301.8 U302.8 U303.5 U304.5 U401.40 U405.8 U406.8 U501.8 U502.8 U503.5 U504.5 U702.3 U702.8 U802.3 U802.8 U902.3 U902.8 U5001.5 U5002.2
+5V_{IGND}: C301.2 C1001.1 U302.1 U1001.2
+5V_{IIGND}: C501.1 C502.2 C5018.1 U501.1 U502.1 U5004.2
+6V_{DGND}: C5012.1 C5031.1 F5001.1 F5002.1 J403.10 J404.10 J5003.2 U5002.3
+12V_{IGND}: C208.1 C209.1 C708.1 C709.1 C1002.1 C1003.1 PS1001.4 Q201.2 Q701.2 R205.2 R705.2 U202.11 U702.11 U1001.3
+12V_{IIGND}: C808.1 C809.1 C908.1 C909.1 C5020.1 C5023.1 PS5001.4 Q801.2 Q901.2 R805.2 R905.2 U802.11 U902.11 U5004.3
/Feeder/5V_{HV}: J105.1 U603.2
/Feeder/5V_{IILV}: J104.1 U602.2
/Feeder/5V_{ILV}: J103.1 U601.2
/Flyback/+6VJP: C5025.2 C5028.1 D5007.1 J5003.1 R5017.2 R5020.1
DGND: C201.2 C202.2 C203.1 C204.2 C205.2 C302.1 C303.1 C316.2 C323.2 C401.2 C402.2 C410.2 C413.2 C503.2 C504.1 C505.2 C508.2 C701.2 C702.2 C703.1 C704.2 C705.2 C801.2 C802.2 C803.1 C804.2 C805.2 C901.2 C902.2 C903.1 C904.2 C905.2 C5001.1 C5004.2 C5012.2 C5024.2 C5027.2 C5028.2 C5029.2 C5031.2 J403.8 J404.8 J5001.2 J5002.2 J5003.3 PS1001.1 PS5001.1 R203.1 R204.2 R303.1 R309.2 R403.1 R405.2 R411.2 R412.2 R414.1 R420.1 R421.2 R505.1 R703.1 R704.2 R803.1 R804.2 R903.1 R904.2 R5002.2 R5006.1 R5022.2 T5001.10 TH401.2 TH402.2 TP5002.1 U202.4 U202.5 U301.5 U302.5 U303.2 U304.2 U401.3 U401.8 U401.13 U401.18 U401.23 U401.28 U401.33 U401.38 U401.54 U401.57 U402.2 U405.5 U406.4 U501.5 U502.5 U503.2 U504.2 U702.4 U702.5 U802.4 U802.5 U902.4 U902.5 U5001.2 U5002.1 U5006.3
GND: C1.2 C2.2 C208.2 C209.2 C301.1 C304.2 C307.2 C309.2 C311.2 C313.2 C315.2 C317.2 C319.2 C708.2 C709.2 C1002.2 C1003.2 C5003.2 C5006.2 C5009.2 C5010.2 C5011.2 C5013.2 C5015.2 C5016.2 C5017.2 C5019.2 C5024.1 C5025.1 J101.4 J101.5 NTC5001.2 PS1001.3 Q302.3 Q304.3 Q5001.2 R306.2 R1001.1 R5004.1 R5005.2 R5007.2 R5014.2 R5016.2 Rb302.2 RpdL301.1 RpdL302.1 T5001.1 U201.3 U202.9 U302.3 U302.4 U701.3 U702.9 U1001.1 U5003.7 U5005.3
GNDREF: C3.2 C4.2 C501.2 C502.1 C511.2 C512.2 C808.2 C809.2 C908.2 C909.2 C5020.2 C5023.2 PS5001.3 Q502.3 Q504.3 R514.2 R5011.1 RpdL501.1 RpdL502.1 Rv505.2 U501.3 U501.4 U502.3 U502.4 U801.3 U802.9 U901.3 U902.9 U5004.1
/Aux_{HV1}: D605.2 T101.16
/Aux_{HV2}: D606.2 T101.18
/Aux_{HVCT}: C603.2 J105.2 T101.17 U603.1
/Aux_{IILV1}: D603.2 T101.7
/Aux_{IILV2}: D604.2 T101.9
/Aux_{IILVCT}: C602.2 J104.2 T101.8 U602.1
/Aux_{ILV1}: D601.2 T101.4
/Aux_{ILV2}: D602.2 T101.6
/Aux_{ILVCT}: C601.2 J103.2 T101.5 U601.1
/Flyback/PWR_COM1: F5001.2 J5001.1
/Flyback/PWR_COM2: F5002.2 J5002.1
/Flyback/VAUX: C5019.1 D5001.1 L5002.2 R5015.1
/Flyback/VBoost: C5017.1 D5002.1 R5007.1 U5003.9
/High_voltage_bridge/Driver2/PWM_H: D501.1 RGH501.1 U802.15
/High_voltage_bridge/Driver2/PWM_L: D502.1 RGL501.1 U802.10
/High_voltage_bridge/Driver3/PWM_H: D503.1 RGH502.1 U902.15
/High_voltage_bridge/Driver3/PWM_L: D504.1 RGL502.1 U902.10
/High_voltage_bridge/I_{IIHigh_P}: J101.10 J101.11 R514.1 U501.2
/High_voltage_bridge/SW_Node3: C906.2 C907.2 L101.2 Q503.3 Q504.2 RpdH502.1 U902.14
/High_voltage_bridge/SW_Node4: C102.2 C806.2 C807.2 Q501.3 Q502.2 RpdH501.1 U802.14
/High_voltage_bridge/V_{IIHigh+}: Rv504.2 Rv505.1 U502.2
/High_voltage_bridge/V_{IIHigh}: C3.1 C4.1 C511.1 C512.1 F102.2 Q501.2 Q503.2 Rv501.1
/I_{IHighmeasured}: C322.2 R310.2 U304.4 U401.25
/I_{IIHighmeasured}: C507.2 R508.2 U401.30 U503.4
/Low_voltage_bridge/Driver1/PWM_H: D301.1 RGH301.1 U202.15
/Low_voltage_bridge/Driver1/PWM_L: D302.1 RGL301.1 U202.10
/Low_voltage_bridge/Driver/PWM_H: D304.1 RGH302.1 U702.15
/Low_voltage_bridge/Driver/PWM_L: D303.1 RGL302.1 U702.10
/Low_voltage_bridge/I_{IHigh}_{DGND}: R307.1 U301.7
/Low_voltage_bridge/SW_Node1: C206.2 C207.2 Q301.3 Q302.2 RpdH301.1 T101.1 U202.14
/Low_voltage_bridge/SW_Node2: C101.1 C706.2 C707.2 Q303.3 Q304.2 RpdH302.1 U702.14
/Low_voltage_bridge/V_{IHigh}: F101.1 U301.3 U301.4
